# Altium PCB mPCIe_Breakout01_BRD1.PcbDoc (part 1 of 2)
Units mil, origin at the board's own origin, x right, y up, seen from the top; angles counter-clockwise.
Board outline 4000 x 4000 mil, 4 copper layers (Top Layer, Inner Layer 1, Inner Layer 2, Bottom Layer), stack 60.911 mil thick; 97 components, 50 nets, 363 pads, 274 vias.
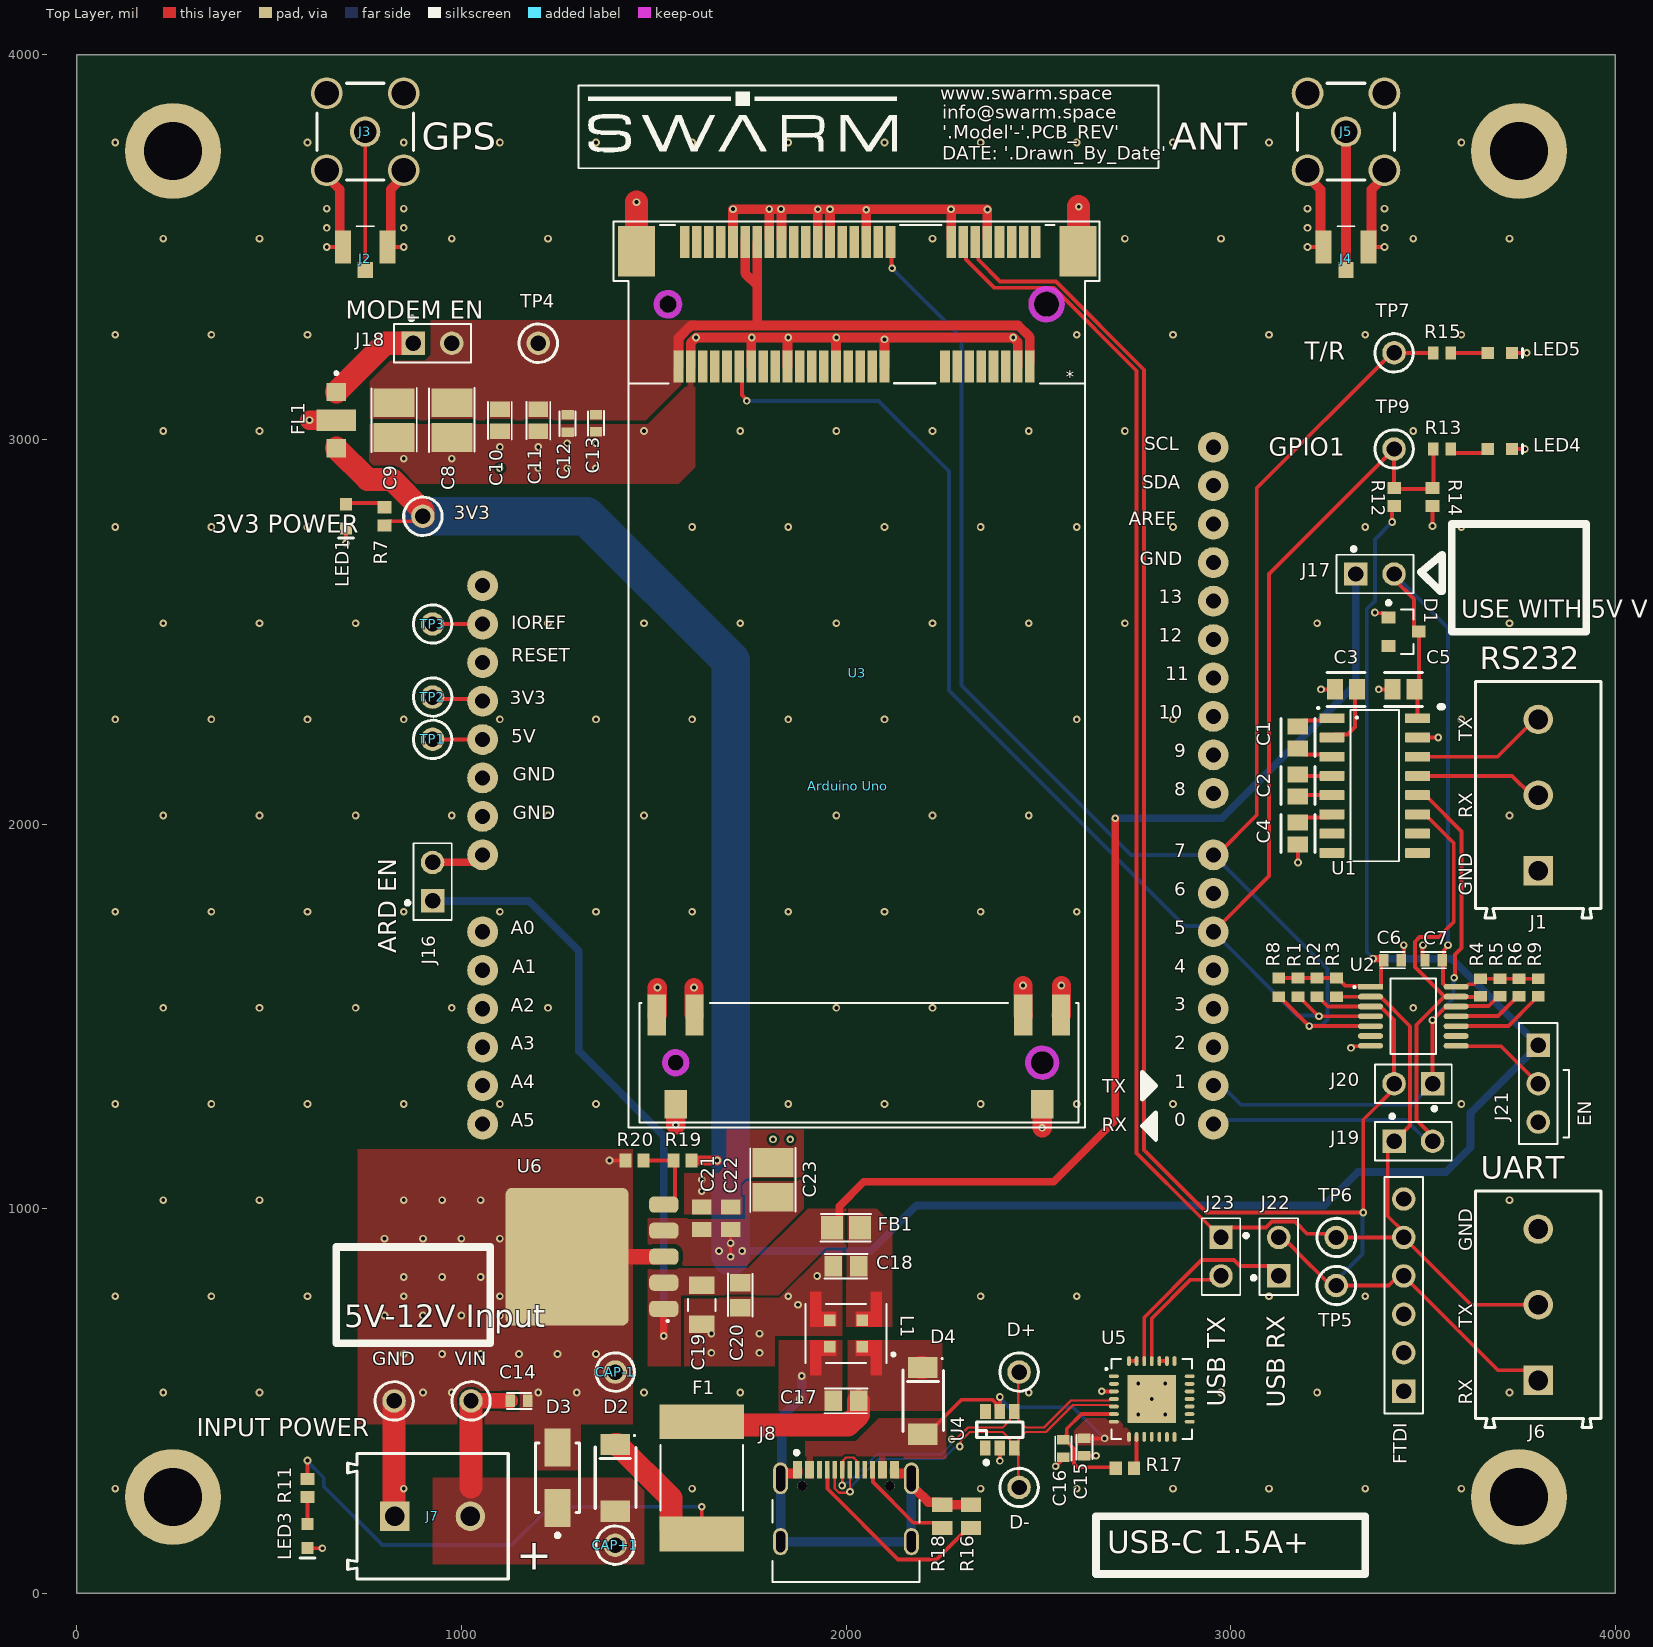
[diagram p0: Top Layer view]
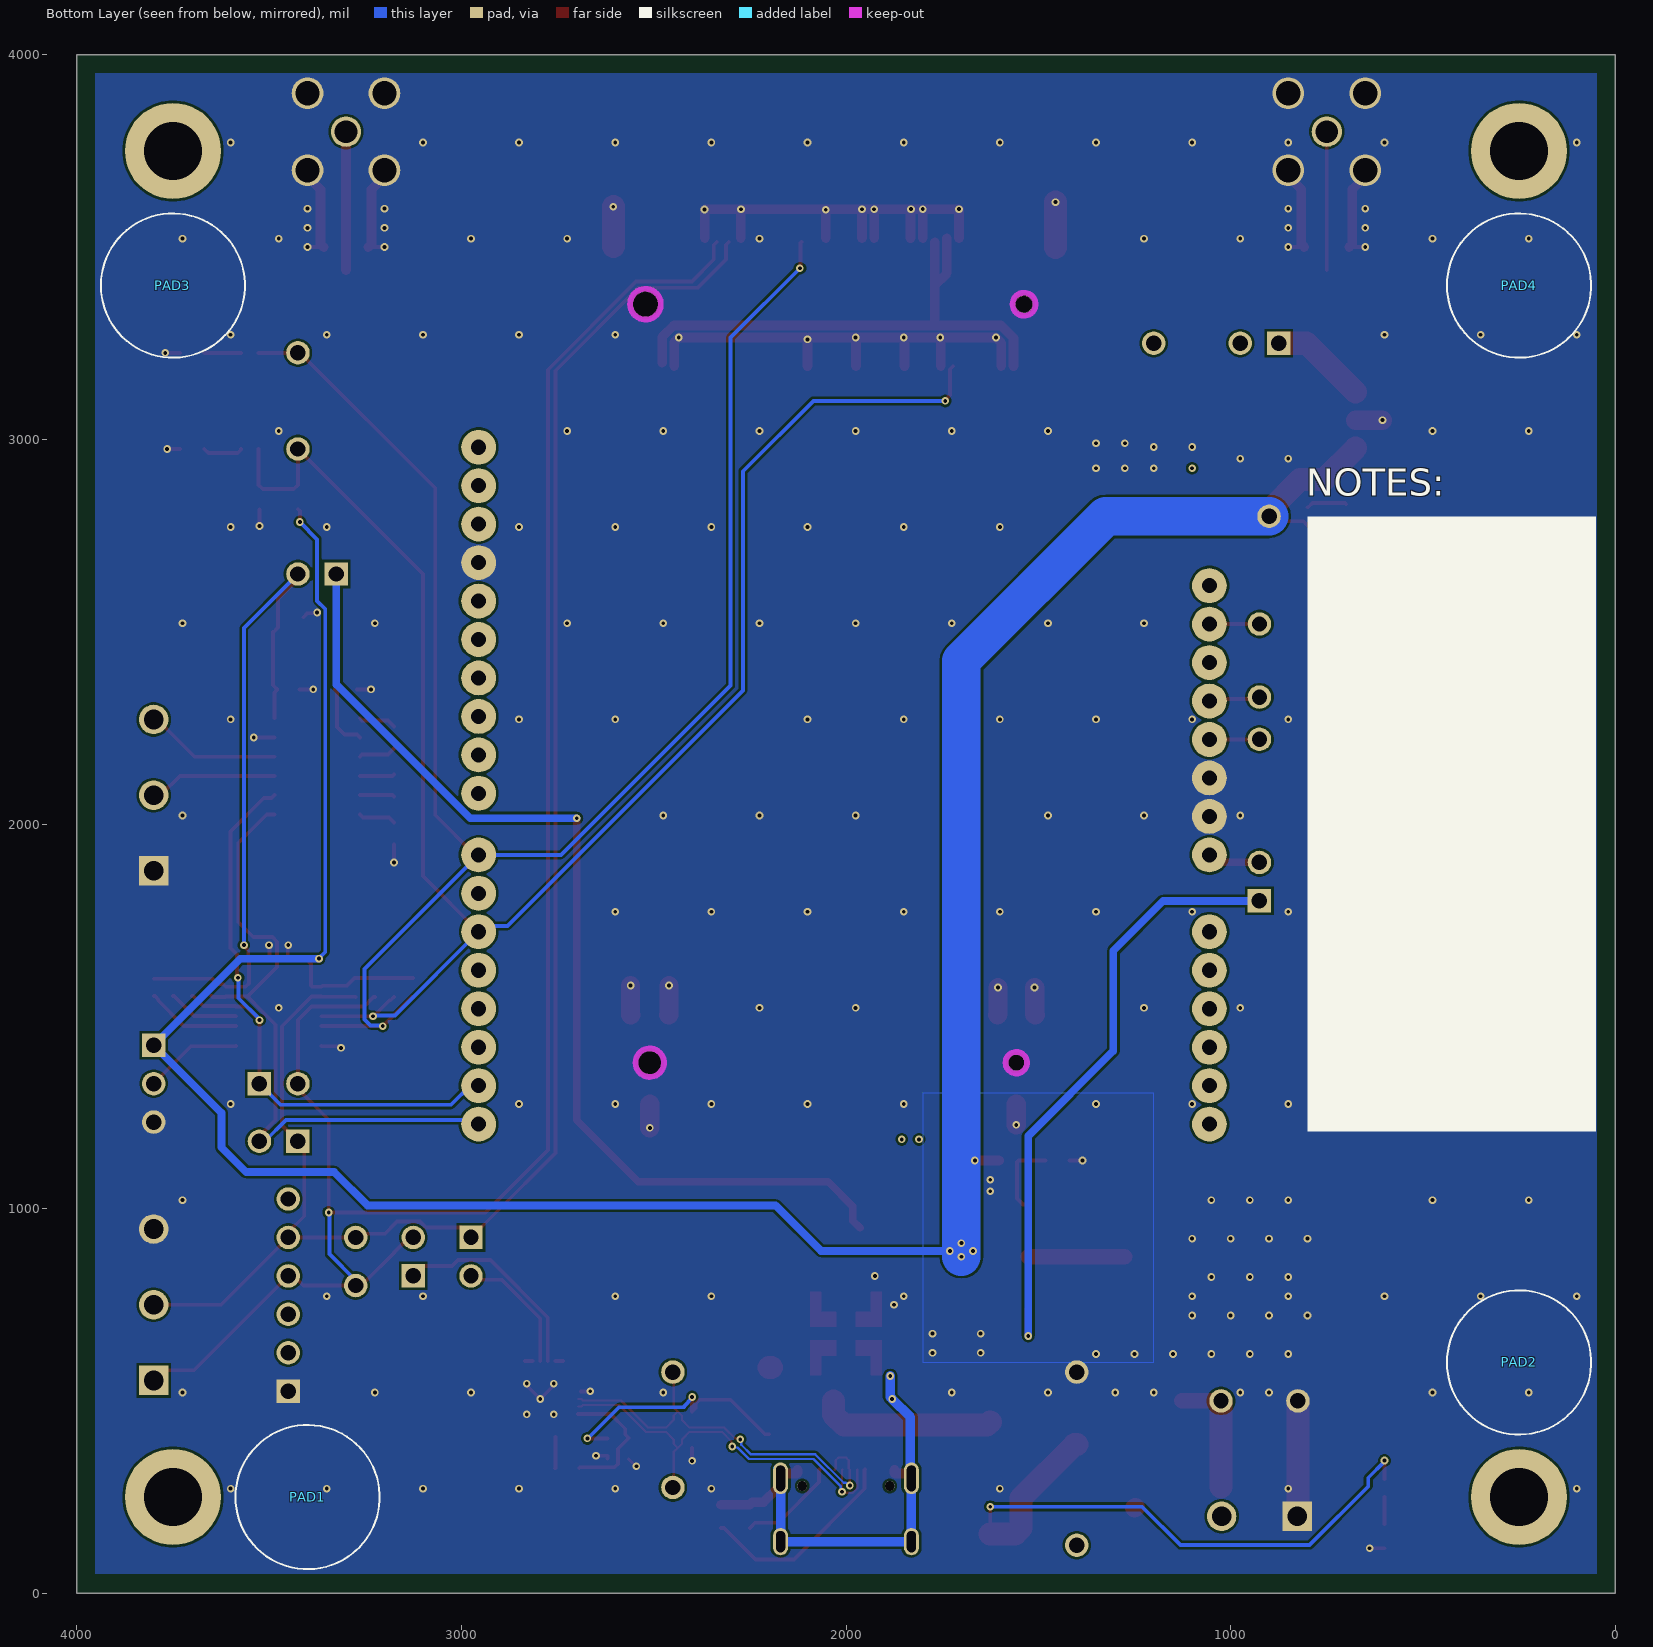
[diagram p1: Bottom Layer view, seen from below]
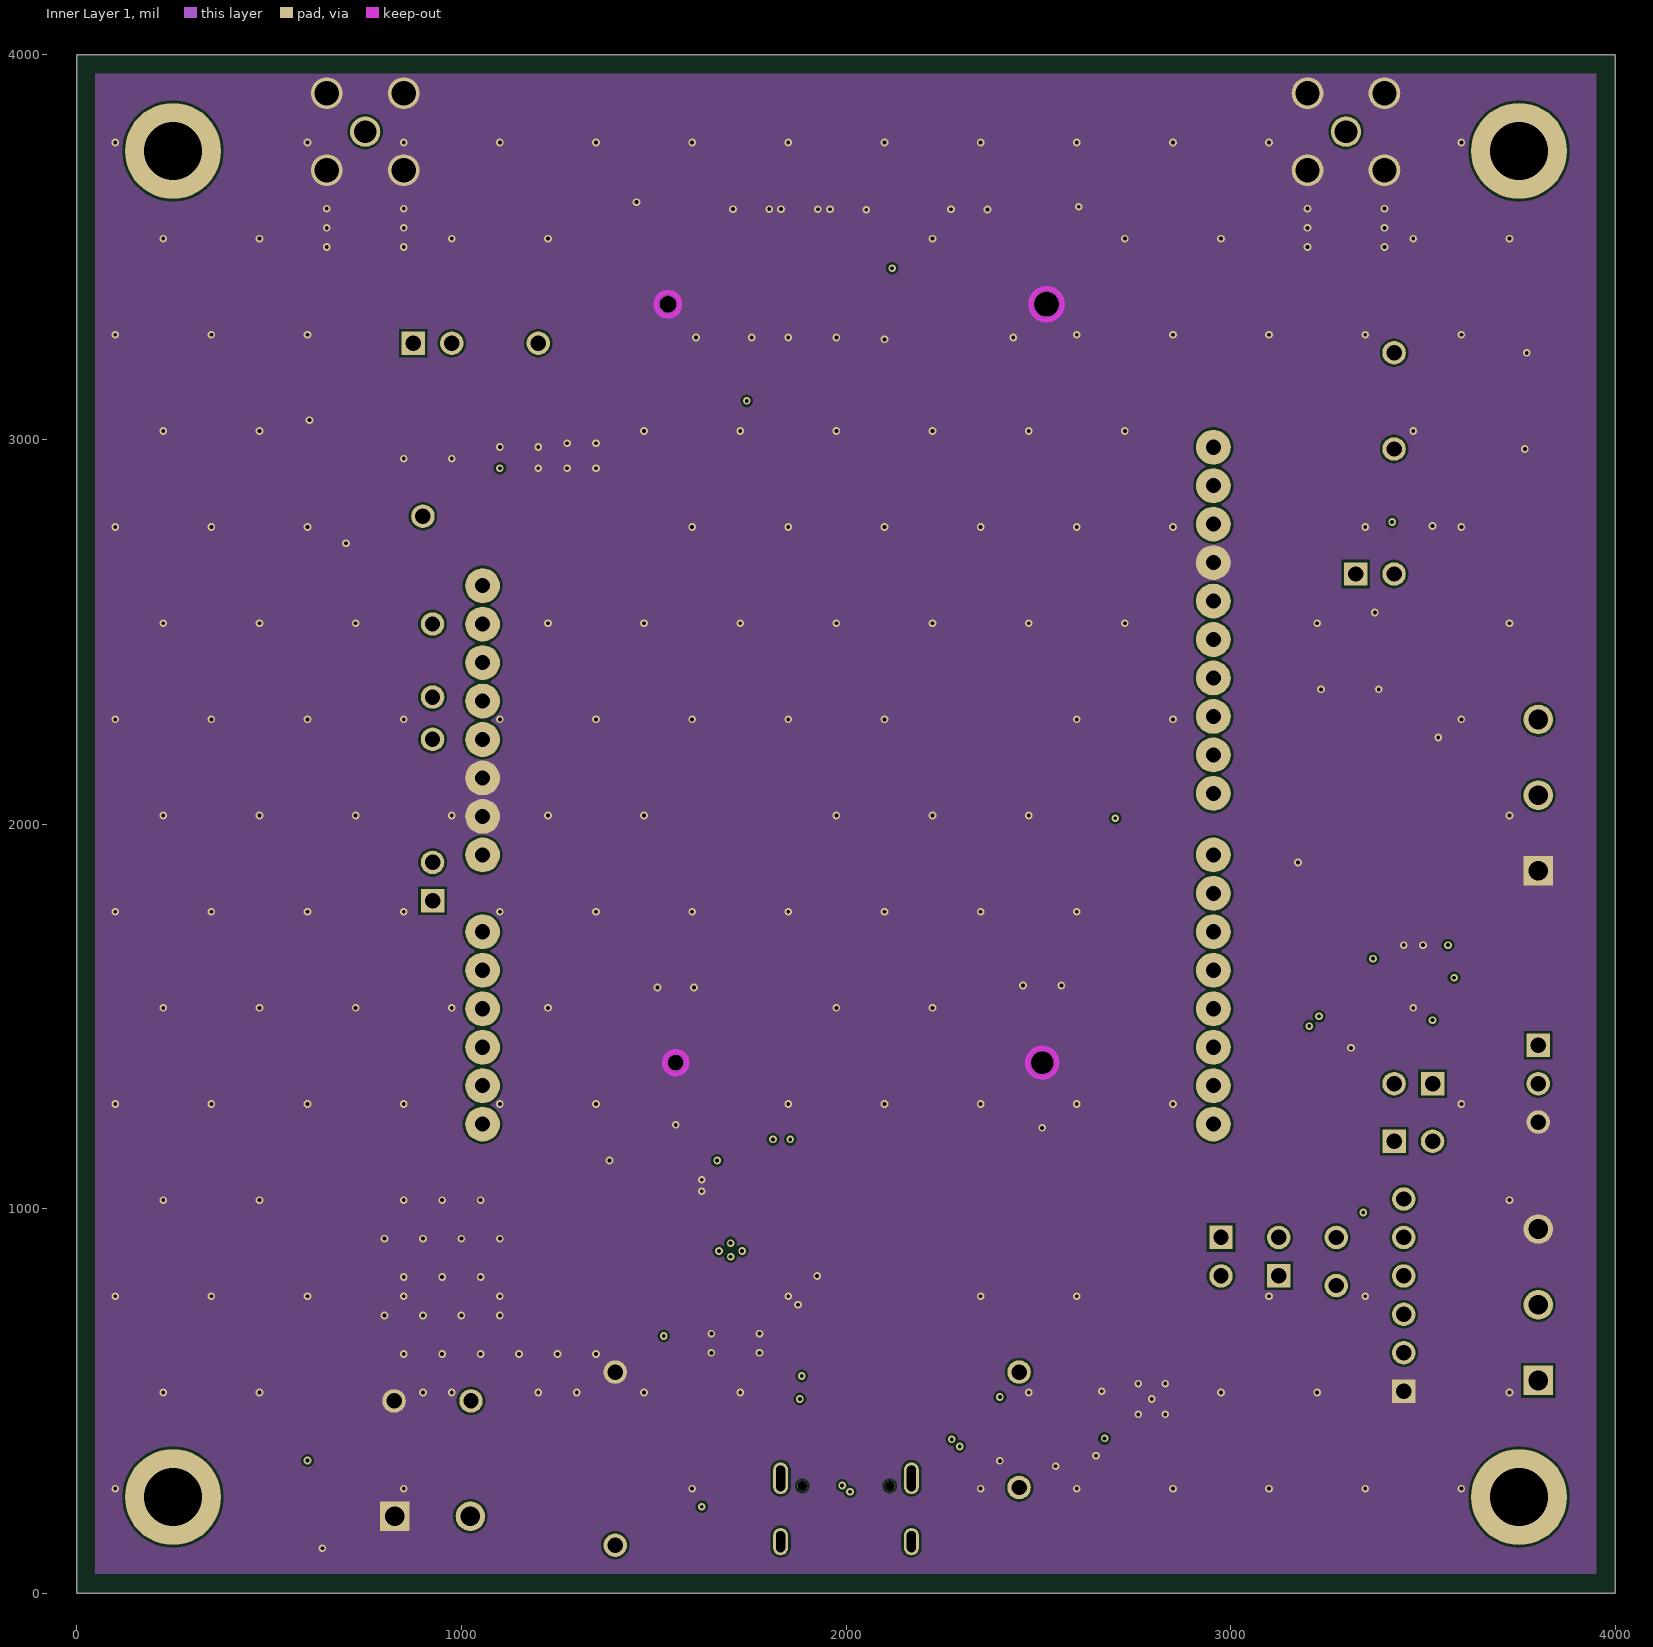
[diagram p2: Inner Layer 1]
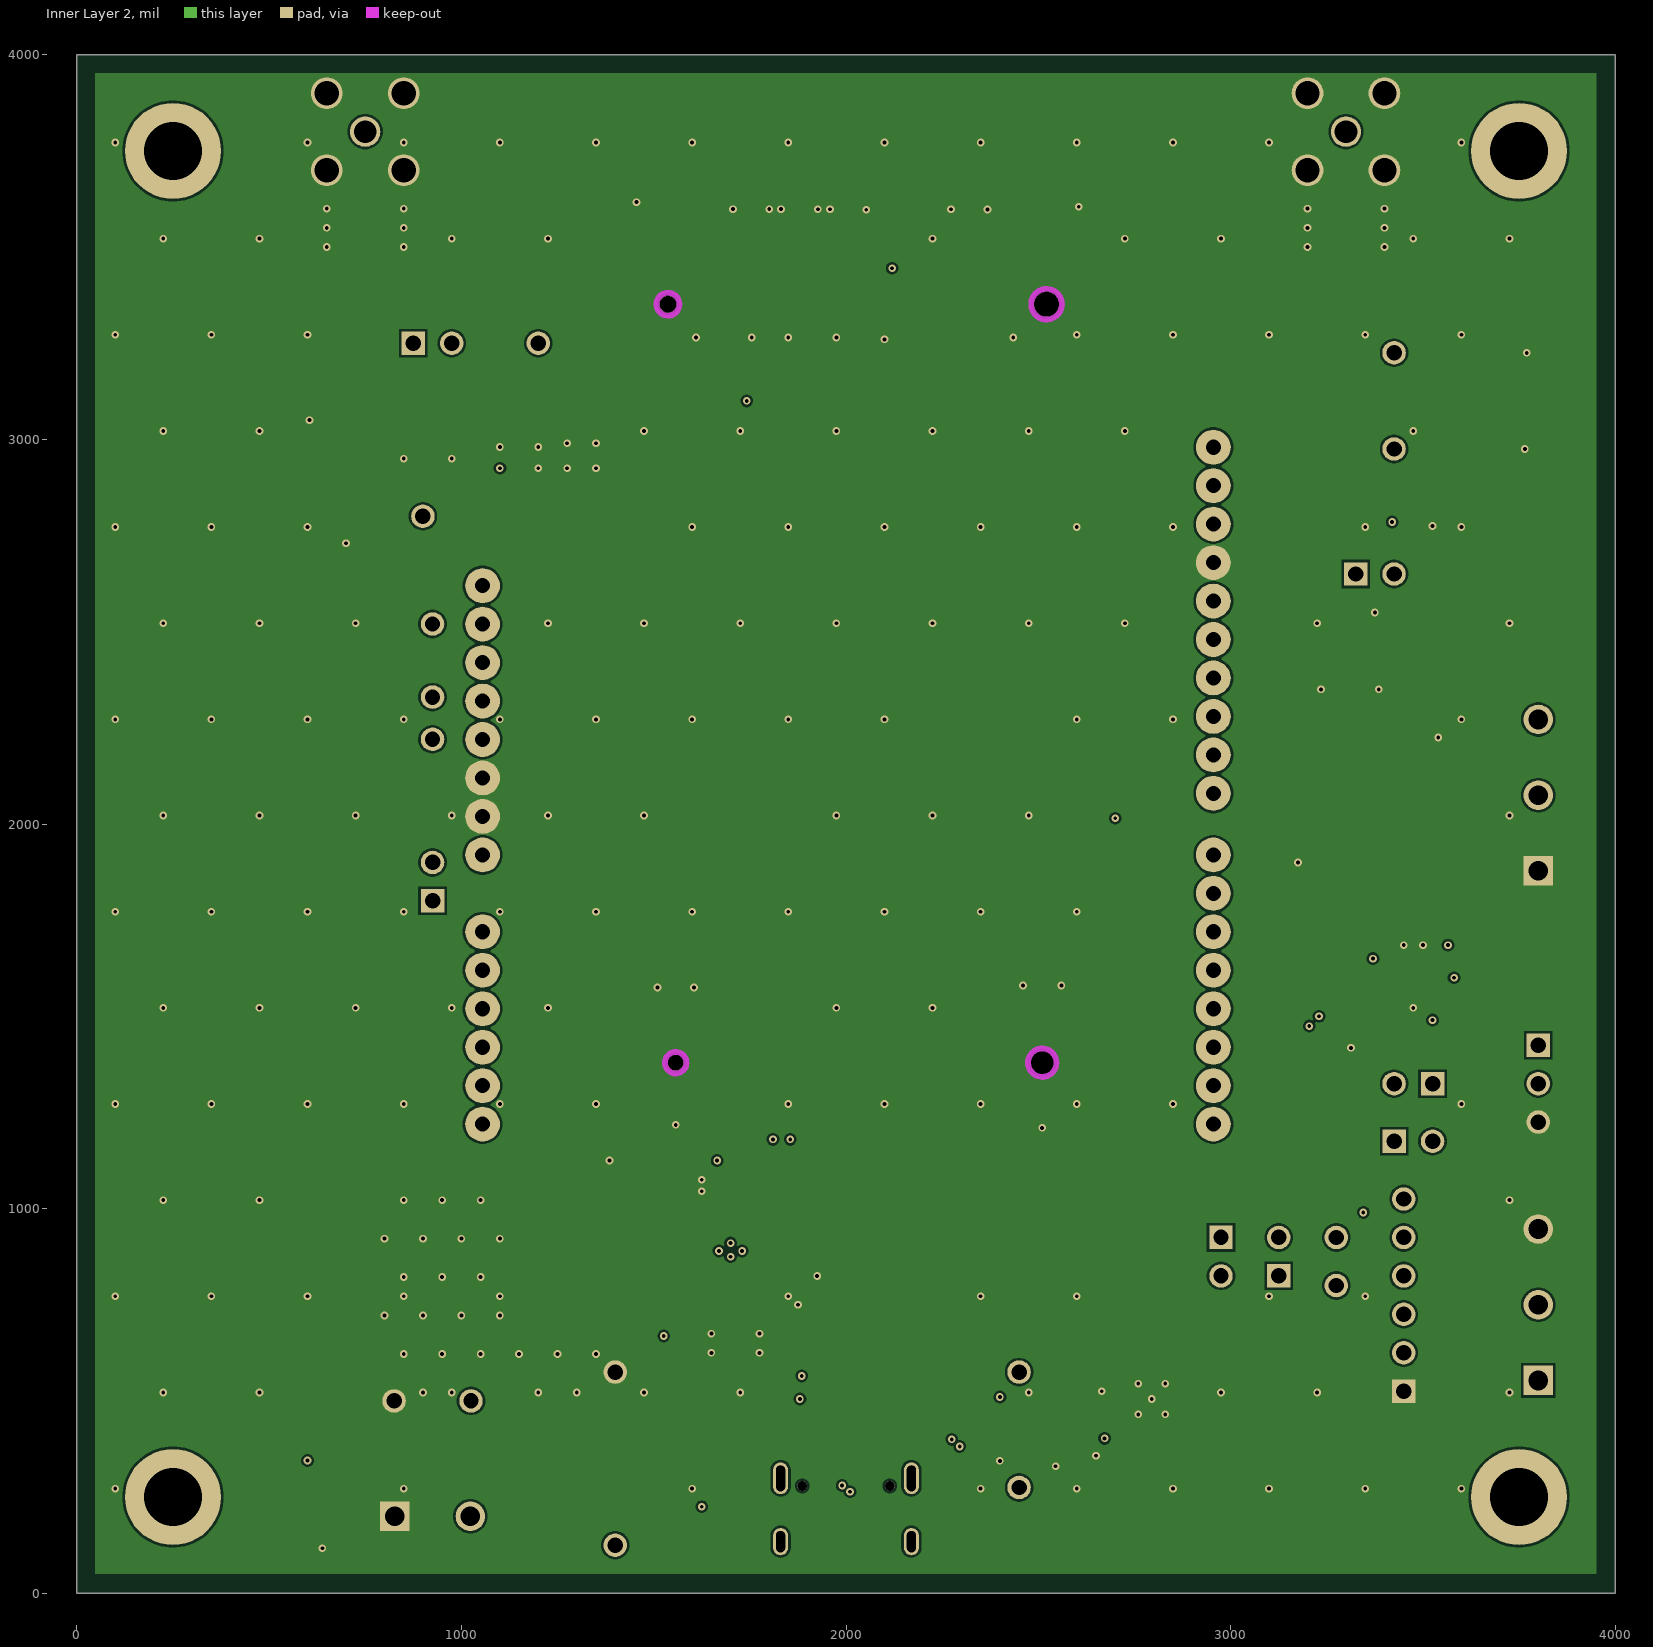
[diagram p3: Inner Layer 2]
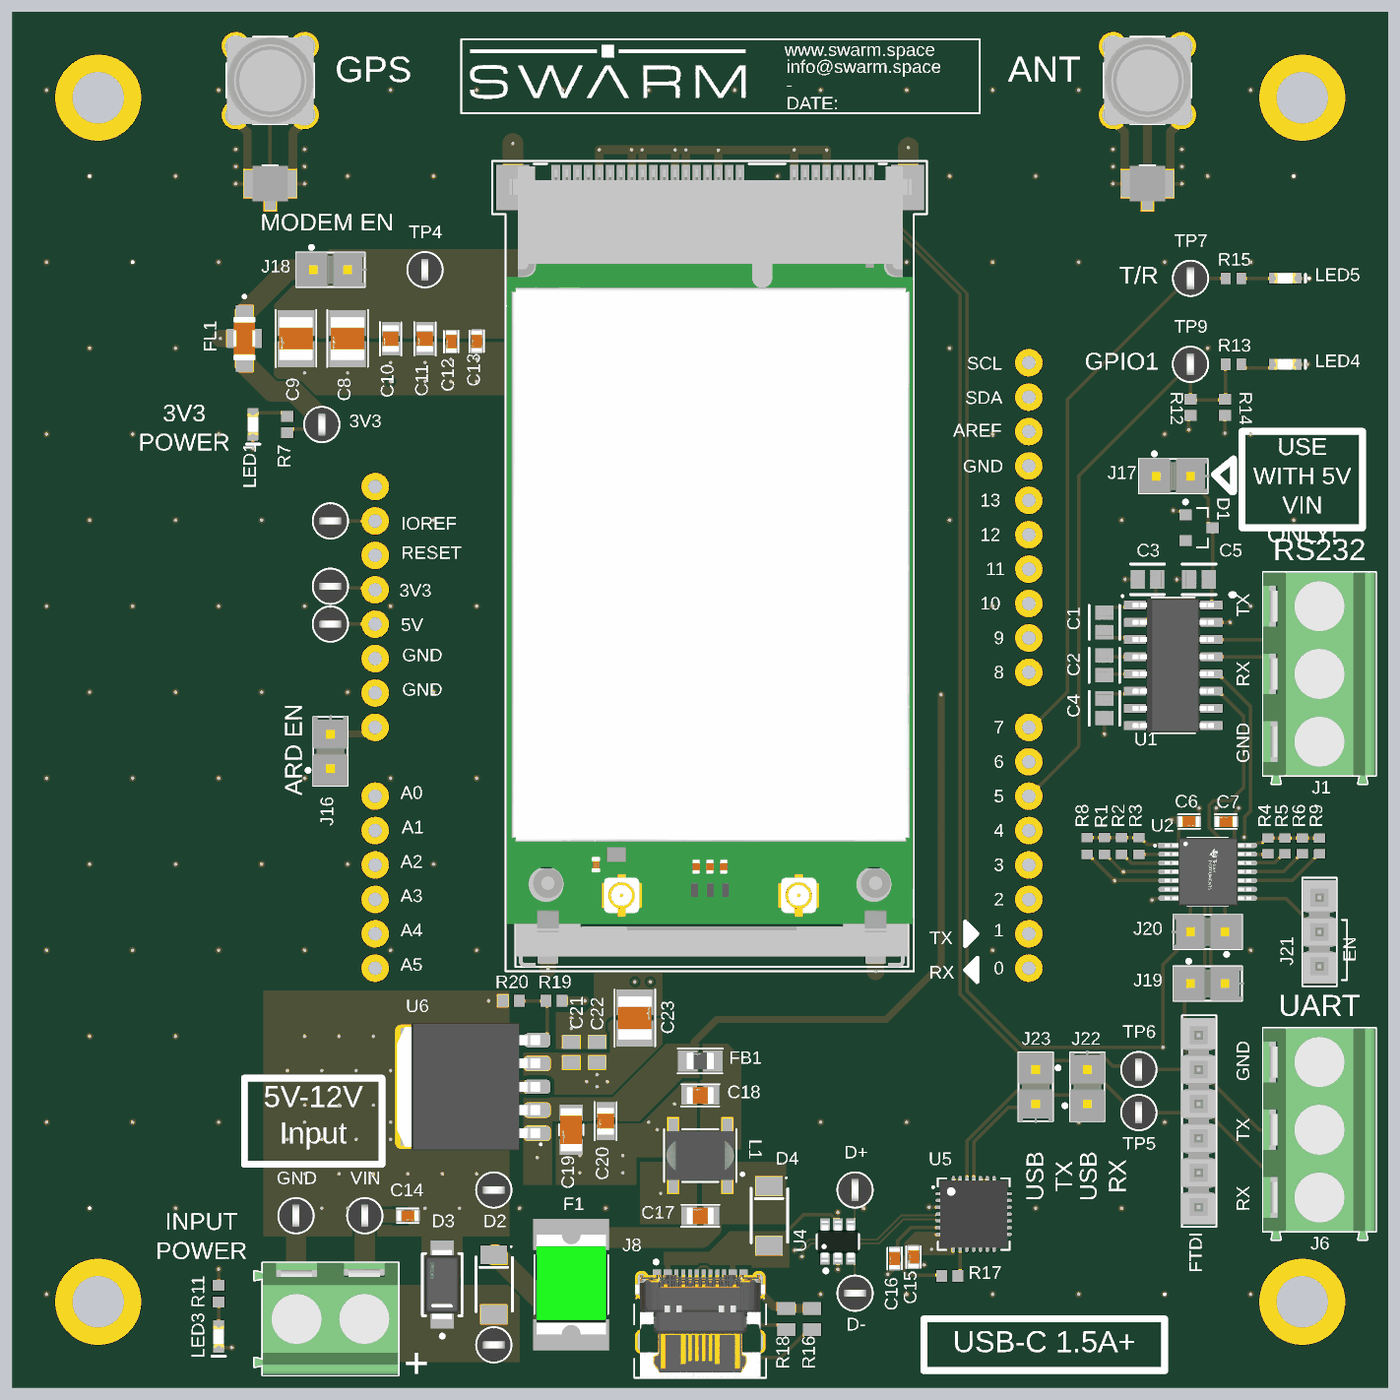
[diagram p5: 3D render of the assembled board from above, using the file's embedded part models]

## Layer stack, top to bottom
Top Solder: solder mask 0.5, Solder Resist, Dk 3.5
Top Layer: signal copper 1.3778
Dielectric1: prepreg 8.2, PP-022, Dk 4.5
Inner Layer 1: signal copper 1.3778
Dielectric4: core 39, Core-042, Dk 4.6
Inner Layer 2: signal copper 1.3778
Dielectric7: prepreg 8.2, PP-022, Dk 4.5
Bottom Layer: signal copper 1.3778
Bottom Solder: solder mask 0.5, Solder Resist, Dk 3.5

## Board outline
0,0 0,4000 4000,4000 4000,0

## Design rules (kind name [scope] priority, off if disabled: settings)
AssemblyTestPointUsage [All] p1: allowmultiple=TRUE
AssemblyTestpoint [All] p1: testpointundercomponent=TRUE minsize=30 maxsize=100 preferedsize=35 minholesize=0 maxholesize=40 preferedholesize=0 testpointgrid=1 usegrid=FALSE gridtolerance=0.01 allowsidetop=TRUE allowsidebottom=TRUE minspacing=75 compbodyclearance=2.5
Clearance GND_L01_P173 [InNamedPolygon('GND_L01_P148')] p1: gap=10 ignorepadtopadclearanceinfootprint=FALSE except(0: Arc-Hole Track-Hole SMDPad-Hole THPad-Hole Via-Hole Fill-Hole Poly-Hole Region-Hole Text-Hole; 25: Arc-Fill Arc-Poly Arc-Region Track-Fill Track-Poly Track-Region SMDPad-Fill SMDPad-Poly SMDPad-Region)
Clearance Clearance_1 [InNamedPolygon('GND_L01_P171')] p2: gap=10 ignorepadtopadclearanceinfootprint=FALSE except(0: Arc-Hole Track-Hole SMDPad-Hole THPad-Hole Via-Hole Fill-Hole Poly-Hole Region-Hole Text-Hole; 15: Arc-Fill Arc-Poly Arc-Region Track-Fill Track-Poly Track-Region THPad-Fill THPad-Poly THPad-Region Via-Fill Via-Poly Via-Region Fill-Fill Fill-Poly Fill-Region Poly-Poly Poly-Region Region-Region; 25: SMDPad-Fill SMDPad-Poly SMDPad-Region)
Clearance Clearance_2 [InNamedPolygon('GND_L01_P144')] p3: gap=10 ignorepadtopadclearanceinfootprint=FALSE except(0: Arc-Hole Track-Hole SMDPad-Hole THPad-Hole Via-Hole Fill-Hole Poly-Hole Region-Hole Text-Hole; 15: Arc-Fill Arc-Poly Arc-Region Track-Fill Track-Poly Track-Region THPad-Fill THPad-Poly THPad-Region Via-Fill Via-Poly Via-Region Fill-Fill Fill-Poly Fill-Region Poly-Poly Poly-Region Region-Region; 25: SMDPad-Fill SMDPad-Poly SMDPad-Region)
Clearance Clearance_3 [InNamedPolygon('GND_L01_P179')] p4: gap=10 ignorepadtopadclearanceinfootprint=FALSE except(0: Arc-Hole Track-Hole SMDPad-Hole THPad-Hole Via-Hole Fill-Hole Poly-Hole Region-Hole Text-Hole; 15: Arc-Fill Arc-Poly Arc-Region Track-Fill Track-Poly Track-Region THPad-Fill THPad-Poly THPad-Region Via-Fill Via-Poly Via-Region Fill-Fill Fill-Poly Fill-Region Poly-Poly Poly-Region Region-Region; 25: SMDPad-Fill SMDPad-Poly SMDPad-Region)
Clearance Clearance_4 [InNamedPolygon('GND_L02_P201')] p5: gap=10 ignorepadtopadclearanceinfootprint=FALSE except(0: Arc-Hole Track-Hole SMDPad-Hole THPad-Hole Via-Hole Fill-Hole Poly-Hole Region-Hole Text-Hole; 15: Arc-Fill Arc-Poly Arc-Region Track-Fill Track-Poly Track-Region THPad-Fill THPad-Poly THPad-Region Via-Fill Via-Poly Via-Region Fill-Fill Fill-Poly Fill-Region Poly-Poly Poly-Region Region-Region; 25: SMDPad-Fill SMDPad-Poly SMDPad-Region)
Clearance Clearance_5 [InNamedPolygon('GND_L04_P195')] p6: gap=10 ignorepadtopadclearanceinfootprint=FALSE except(0: Arc-Hole Track-Hole SMDPad-Hole THPad-Hole Via-Hole Fill-Hole Poly-Hole Region-Hole Text-Hole; 15: Arc-Fill Arc-Poly Arc-Region Track-Fill Track-Poly Track-Region THPad-Fill THPad-Poly THPad-Region Via-Fill Via-Poly Via-Region Fill-Fill Fill-Poly Fill-Region Poly-Poly Poly-Region Region-Region; 25: SMDPad-Fill SMDPad-Poly SMDPad-Region)
Clearance [All] p7: gap=6 ignorepadtopadclearanceinfootprint=FALSE except(0: Arc-Hole Track-Hole SMDPad-Hole THPad-Hole Via-Hole Fill-Hole Poly-Hole Region-Hole Text-Hole; 12: SMDPad-Fill SMDPad-Poly SMDPad-Region)
ComponentClearance ComponentClearance_1 [(InComponent('Mod1') OR InComponent('Mod2'))] p1: gap=0 collisioncheckmode=3 verticalgap=0 showdistances=FALSE
ComponentClearance "Test Point Clearance" [All vs HasFootprint('SMT_TESTPOINT')] p2: gap=1 collisioncheckmode=3 verticalgap=1 showdistances=FALSE
ComponentClearance [All] p3: gap=-5 collisioncheckmode=3 verticalgap=-5 showdistances=TRUE
DiffPairsRouting [All] p1: maxlimit=10 minlimit=10 mostfreqgap=10 toplayer_minwidth=15 toplayer_maxwidth=15 toplayer_prefwidth=15 midlayer1_minwidth=15 midlayer1_maxwidth=15 midlayer1_prefwidth=15 midlayer2_minwidth=15 midlayer2_maxwidth=15 midlayer2_prefwidth=15 bottomlayer_minwidth=15 bottomlayer_maxwidth=15 bottomlayer_prefwidth=15 substack1={197EC8CC-9377-4415-BDF7-A3D1EB3DD0FE} toplayer_{197ec8cc-9377-4415-bdf7-a3d1eb3dd0fe}_minwidth=15 toplayer_{197ec8cc-9377-4415-bdf7-a3d1eb3dd0fe}_maxwidth=15 toplayer_{197ec8cc-9377-4415-bdf7-a3d1eb3dd0fe}_prefwidth=15 midlayer1_{197ec8cc-9377-4415-bdf7-a3d1eb3dd0fe}_minwidth=15 midlayer1_{197ec8cc-9377-4415-bdf7-a3d1eb3dd0fe}_maxwidth=15 midlayer1_{197ec8cc-9377-4415-bdf7-a3d1eb3dd0fe}_prefwidth=15 midlayer2_{197ec8cc-9377-4415-bdf7-a3d1eb3dd0fe}_minwidth=15 midlayer2_{197ec8cc-9377-4415-bdf7-a3d1eb3dd0fe}_maxwidth=15 midlayer2_{197ec8cc-9377-4415-bdf7-a3d1eb3dd0fe}_prefwidth=15 bottomlayer_{197ec8cc-9377-4415-bdf7-a3d1eb3dd0fe}_minwidth=15 bottomlayer_{197ec8cc-9377-4415-bdf7-a3d1eb3dd0fe}_maxwidth=15 bottomlayer_{197ec8cc-9377-4415-bdf7-a3d1eb3dd0fe}_prefwidth=15 substack2={3BC1737C-76C4-4E50-9252-438E091EDBF9} toplayer_{3bc1737c-76c4-4e50-9252-438e091edbf9}_minwidth=15 toplayer_{3bc1737c-76c4-4e50-9252-438e091edbf9}_maxwidth=15 toplayer_{3bc1737c-76c4-4e50-9252-438e091edbf9}_prefwidth=15 midlayer1_{3bc1737c-76c4-4e50-9252-438e091edbf9}_minwidth=15 midlayer1_{3bc1737c-76c4-4e50-9252-438e091edbf9}_maxwidth=15 midlayer1_{3bc1737c-76c4-4e50-9252-438e091edbf9}_prefwidth=15 midlayer2_{3bc1737c-76c4-4e50-9252-438e091edbf9}_minwidth=15 midlayer2_{3bc1737c-76c4-4e50-9252-438e091edbf9}_maxwidth=15 midlayer2_{3bc1737c-76c4-4e50-9252-438e091edbf9}_prefwidth=15 bottomlayer_{3bc1737c-76c4-4e50-9252-438e091edbf9}_minwidth=15 bottomlayer_{3bc1737c-76c4-4e50-9252-438e091edbf9}_maxwidth=15 bottomlayer_{3bc1737c-76c4-4e50-9252-438e091edbf9}_prefwidth=15 maxuncoupledlength=500
FabricationTestPointUsage [All] p1: valid=2 allowmultiple=TRUE
FabricationTestpoint [(IsPad And (OnTopLayer Or OnBottomLayer)) Or (IsPad And OnMultiLayer)] p1: side=3 testpointundercomponent=TRUE minsize=35 maxsize=100 preferedsize=60 minholesize=0 maxholesize=40 preferedholesize=32 testpointgrid=1 allowsidetop=TRUE allowsidebottom=TRUE usegrid=TRUE gridtolerance=0.01 minspacing=75 compbodyclearance=75 boardedgeclearance=125
Height [All] p1: minheight=0 maxheight=3000 prefheight=500
HoleSize [All] p1: absolutevalues=TRUE maxlimit=200 minlimit=1 maxpercent=80.000 minpercent=20.000
HoleToHoleClearance [All] p1: gap=20 allowstackedmicrovias=TRUE
MinimumAnnularRing [All] p1: minimumring=5
MinimumSolderMaskSliver [All] p1: minsoldermaskwidth=3
PolygonConnect PolygonConnect_TILE [InNamedPolygon('GND_L01_P148') vs InNamedPolygon('GND_L01_P148')] p1: thpad.connectstyle=Relief thpad.reliefconductorwidth=10 thpad.reliefentries=4 thpad.polygonreliefangle="45 Angle" thpad.airgapwidth=10 smdpad.connectstyle=Relief smdpad.reliefconductorwidth=15 smdpad.reliefentries=4 smdpad.polygonreliefangle="90 Angle" smdpad.airgapwidth=10 via.connectstyle=Direct via.reliefconductorwidth=10 via.reliefentries=4 via.polygonreliefangle="45 Angle" via.airgapwidth=10
PolygonConnect [All] p2: connectstyle=Direct reliefconductorwidth=15 reliefentries=4 polygonreliefangle="90 Angle" airgapwidth=10
RoutingVias [All] p1: holewidth=10 width=20 viastyle="Through Hole" minholewidth=10 minwidth=20 maxholewidth=10 maxwidth=20
SilkToSilkClearance [All] p1: silktosilkclearance=1
SilkToSolderMaskClearance SilkscreenOverComponentPads [IsPad] p1: minsilkscreentomaskgap=2 clearancetoexposedcopper=TRUE
SolderMaskExpansion [All] p1: expansion=2 istentingtop=FALSE
Width [All] p1: maxlimit=100 minlimit=6 preferedwidth=10 toplayer_maxwidth=60 midlayer1_maxwidth=60 midlayer2_maxwidth=60 substack1={197EC8CC-9377-4415-BDF7-A3D1EB3DD0FE} toplayer_{197ec8cc-9377-4415-bdf7-a3d1eb3dd0fe}_maxwidth=30 midlayer1_{197ec8cc-9377-4415-bdf7-a3d1eb3dd0fe}_maxwidth=30 midlayer2_{197ec8cc-9377-4415-bdf7-a3d1eb3dd0fe}_maxwidth=30 bottomlayer_{197ec8cc-9377-4415-bdf7-a3d1eb3dd0fe}_maxwidth=30 substack2={3BC1737C-76C4-4E50-9252-438E091EDBF9} toplayer_{3bc1737c-76c4-4e50-9252-438e091edbf9}_maxwidth=30 midlayer1_{3bc1737c-76c4-4e50-9252-438e091edbf9}_maxwidth=30 midlayer2_{3bc1737c-76c4-4e50-9252-438e091edbf9}_maxwidth=30 bottomlayer_{3bc1737c-76c4-4e50-9252-438e091edbf9}_maxwidth=30 minimp=50.000000 maximp=50.000000 favimp=50.000000
18 further rules are at their usual default settings.

## Classes and differential pairs
component class mPCIe_Breakout01_SCH-PAGE3_POWER_SUPPLY: 3V3 C14 C15 C16 C17 C18 C19 C20 C21 C22 C23 CAP+1 CAP-1 D2 D3 D4 D+ D- F1 FB1 GND J7 J8 J11 J12 J22 J23 L1 LED3 R11 R16 R17 R18 R19 R20 U4 U5 U6 VIN
component class mPCIe_Breakout01-SCH-PAGE2_MAIN: "Arduino Uno" C1 C2 C3 C4 C5 C6 C7 C8 C9 C10 C11 C12 C13 D1 FL1 FTDI J1 J2 J3 J4 J5 J6 J9 J10 J16 J17 J18 J19 J20 J21 LED1 LED4 LED5 PAD1 PAD2 PAD3 PAD4 R1 R2 R3 R4 R5 R6 R7 R8 R9 R12 R13 R14 R15 TP1 TP2 TP3 TP4 TP5 TP6 TP7 TP9 U1 U2 U3
differential pair D: +D_P -D_N
